# Altium PCB WL-MAIN.PcbDoc (part 1 of 3)
Units mm, origin at the board's own origin, x right, y up, seen from the top; angles counter-clockwise.
Board outline 144 x 83.65 mm, 4 copper layers (Top Layer, Layer 1, Layer 2, Bottom Layer), stack 1.57 mm thick; 393 components, 321 nets, 1486 pads, 539 vias.
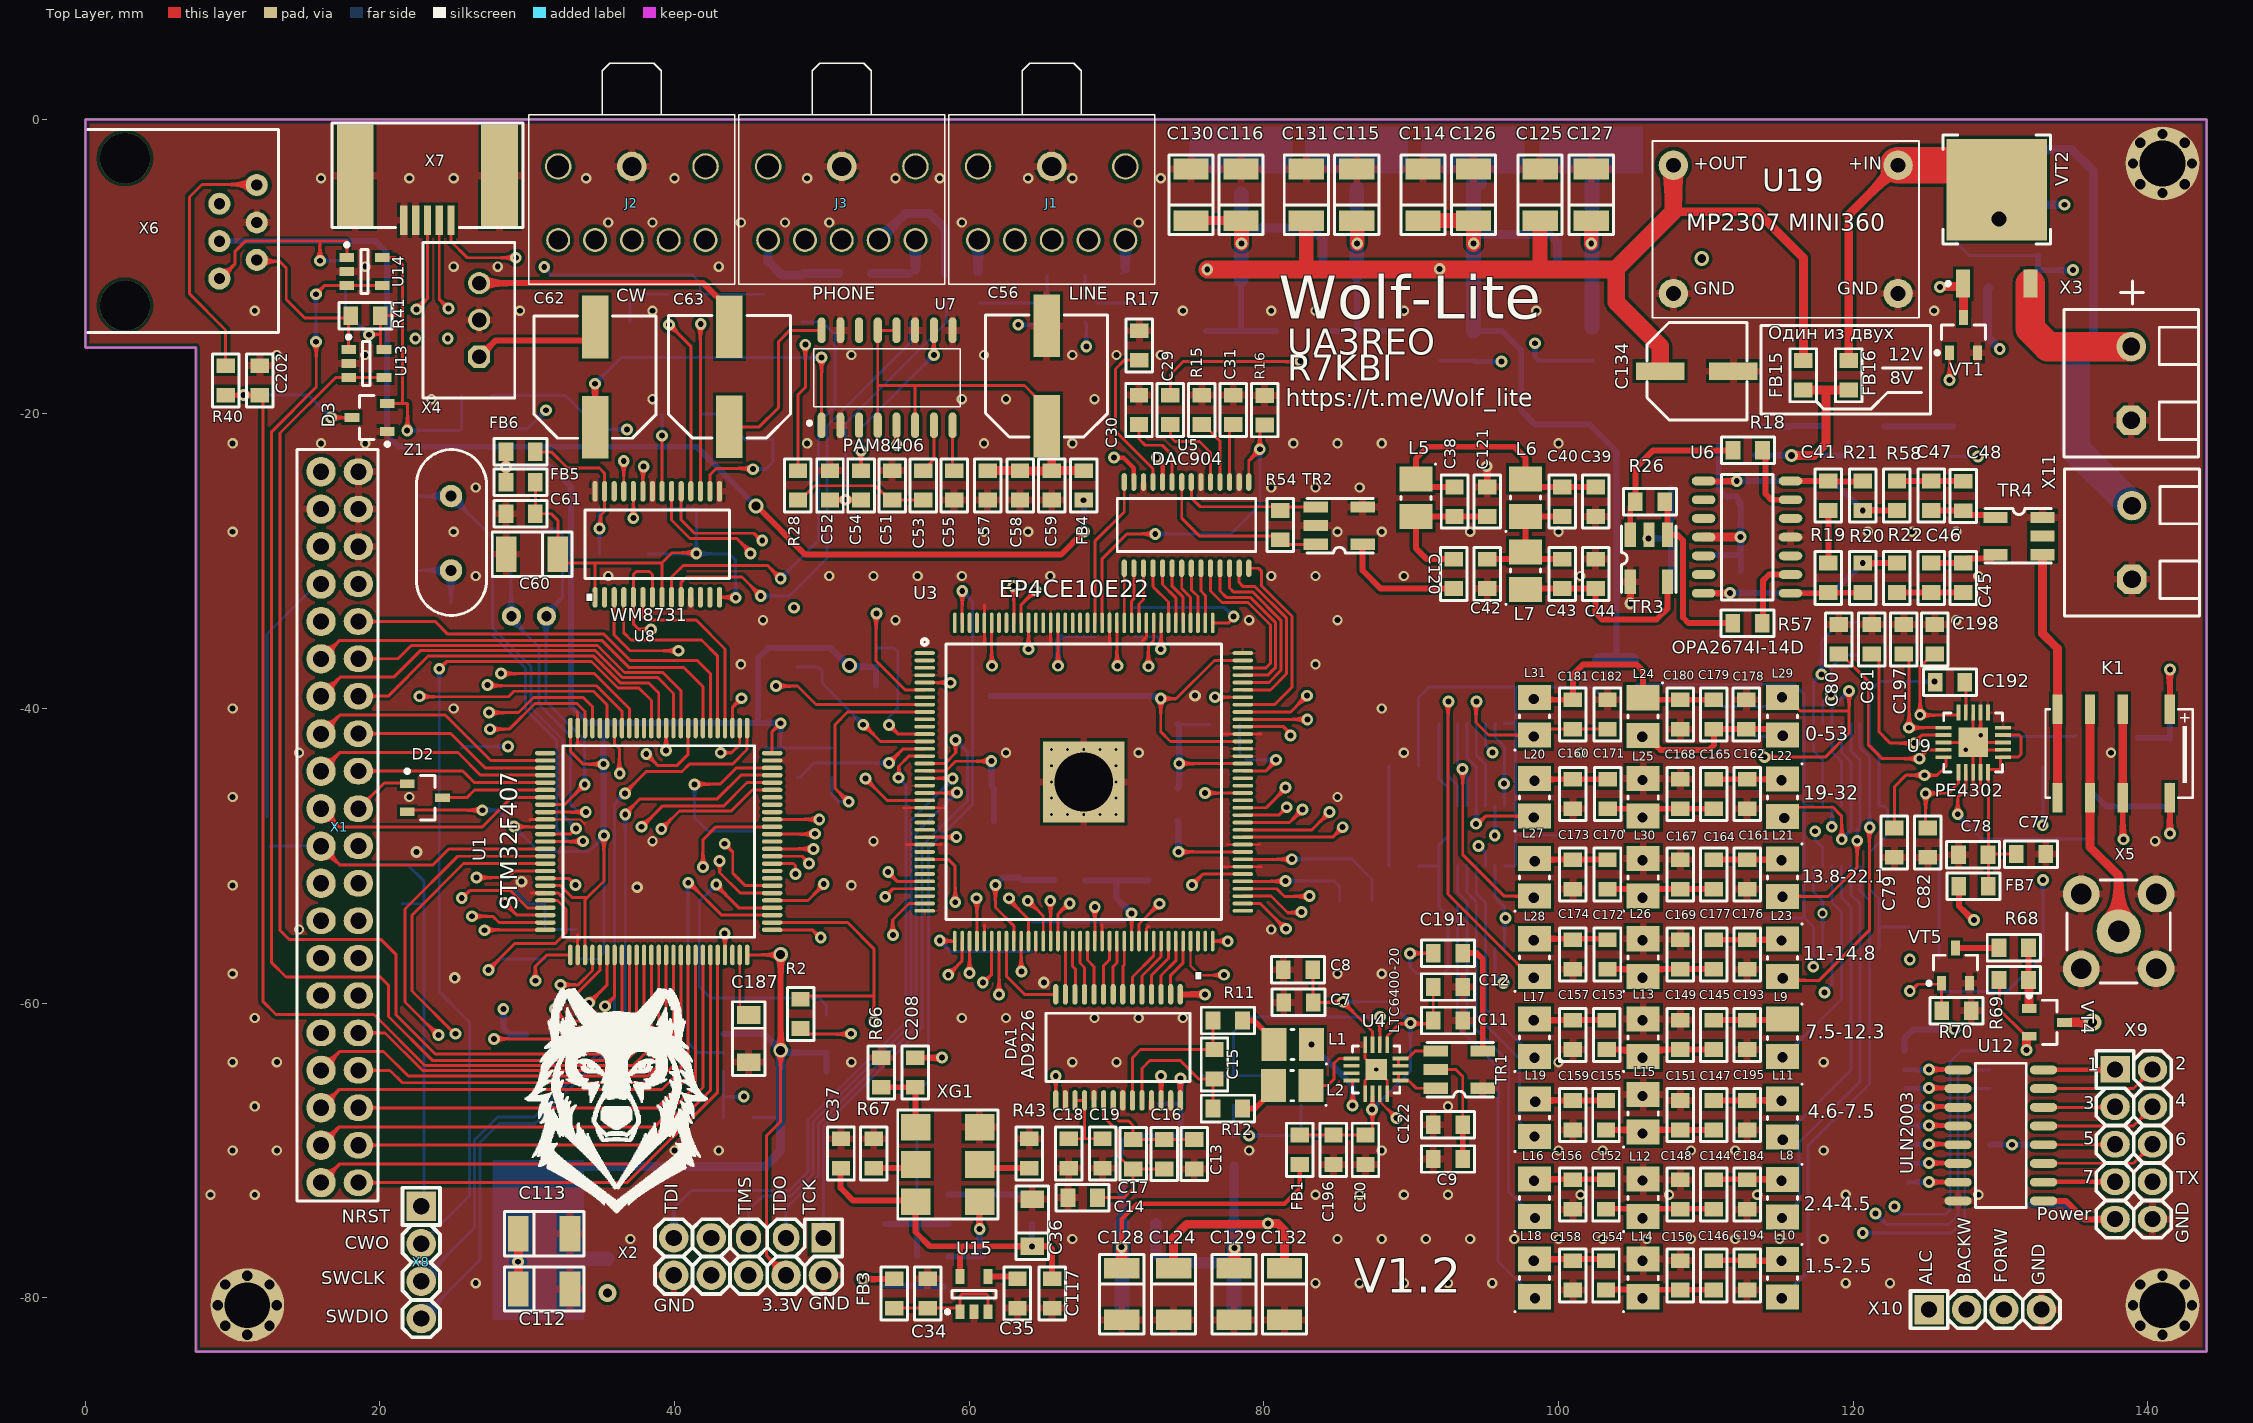
[diagram p0: Top Layer view]
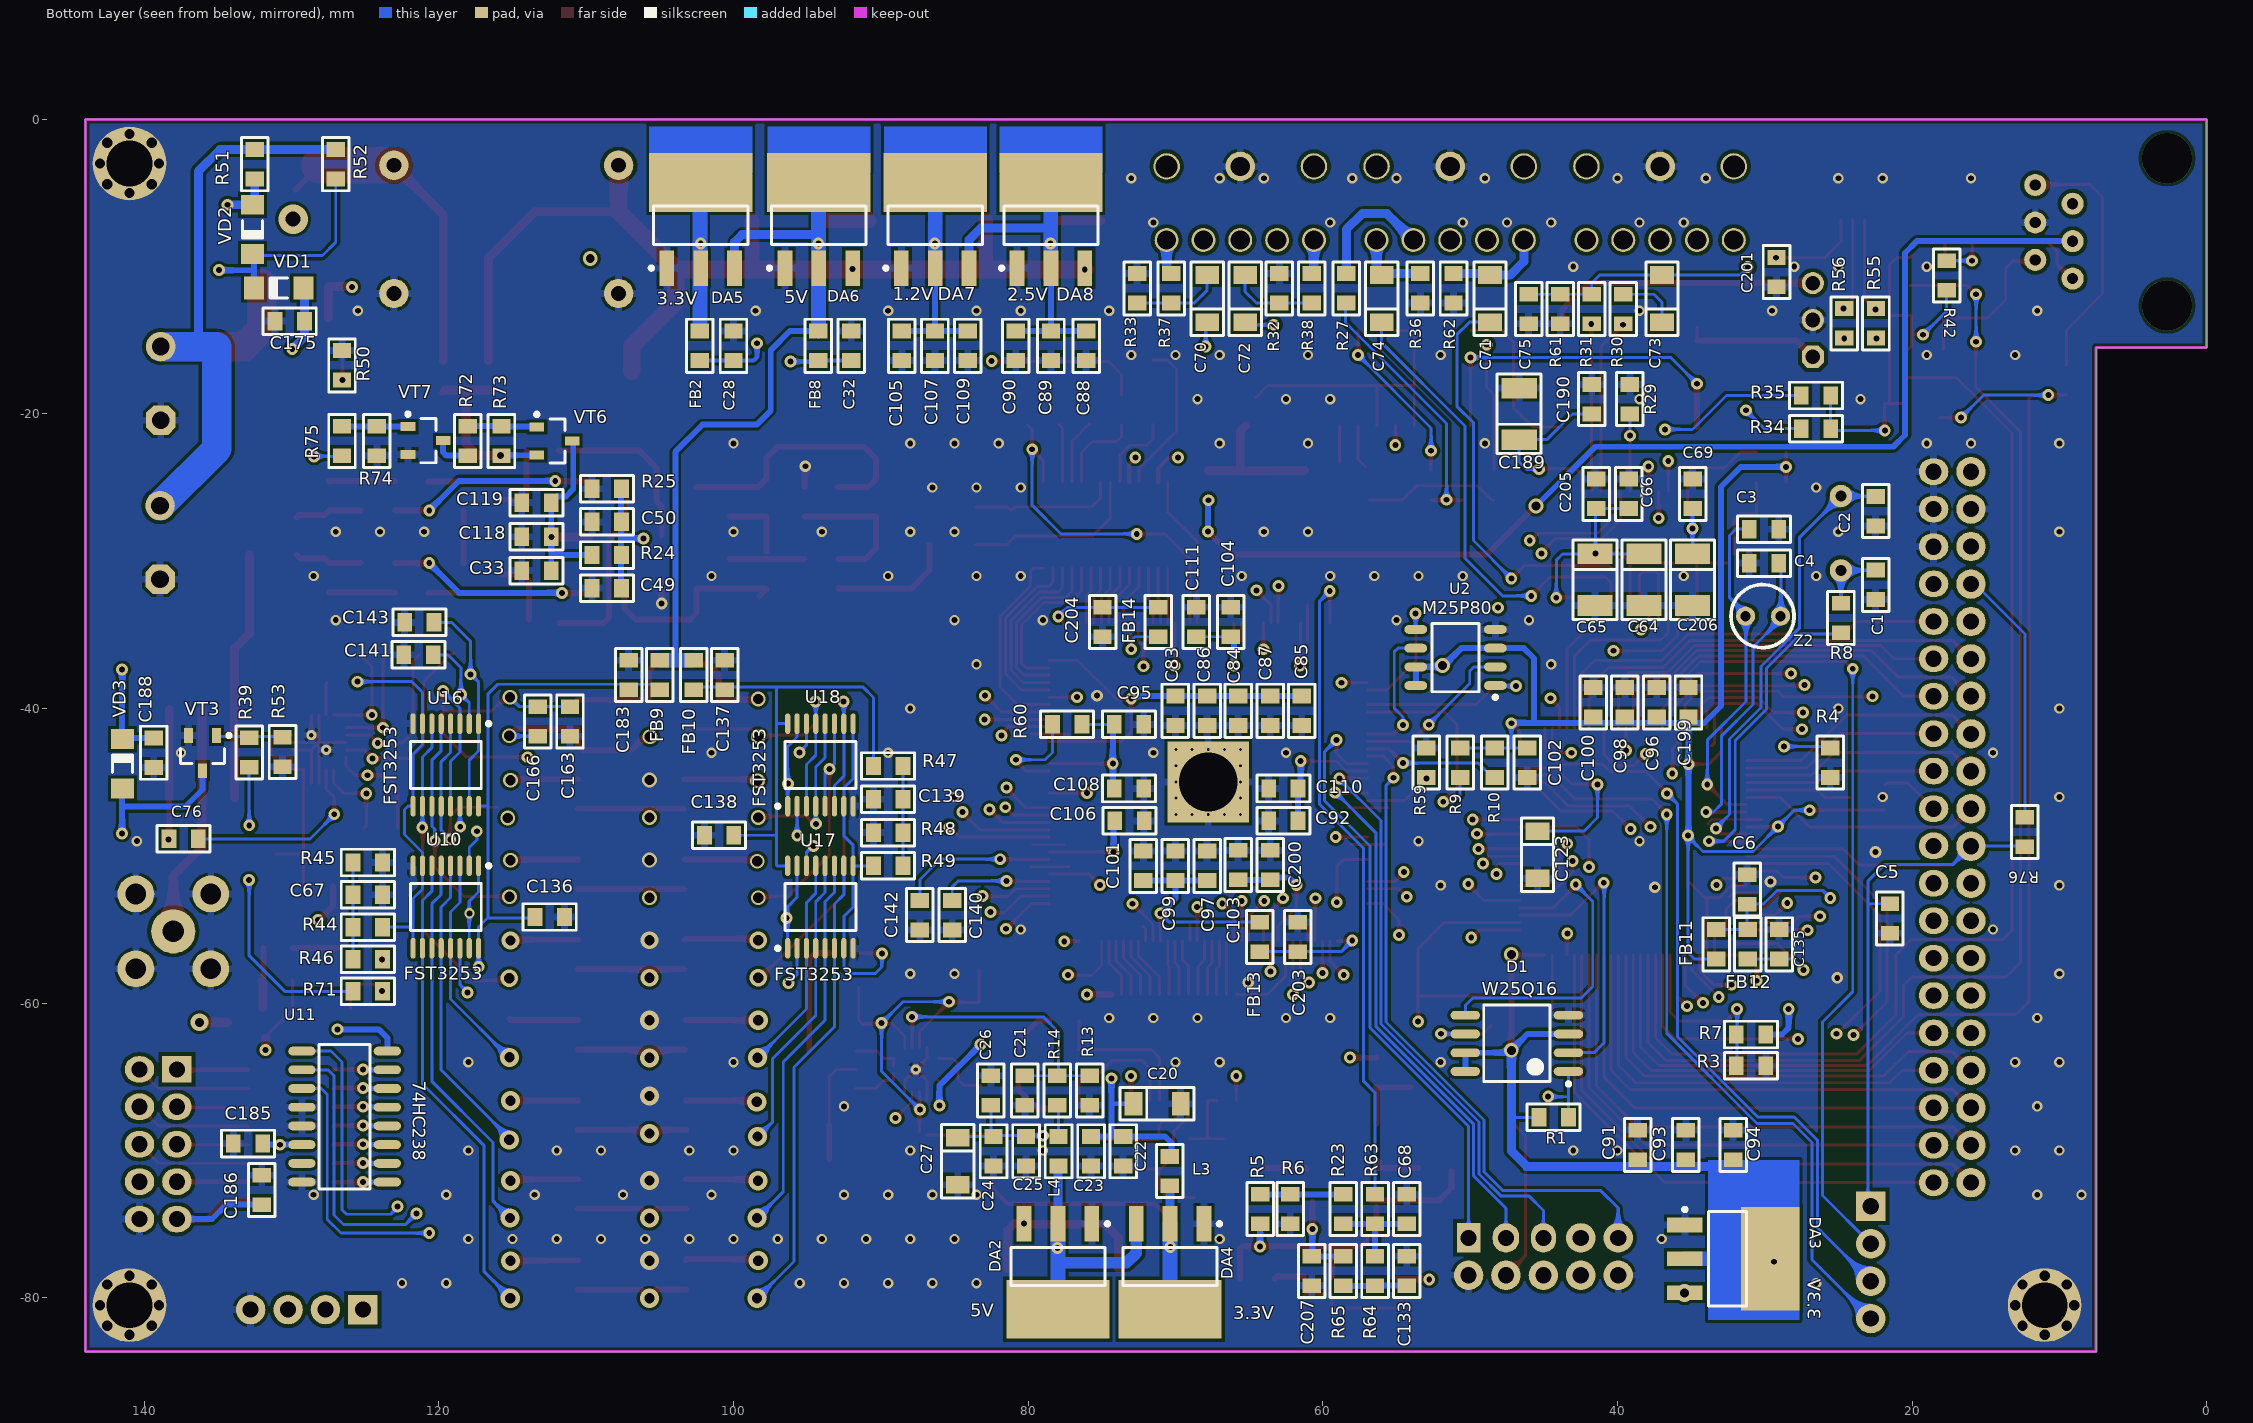
[diagram p1: Bottom Layer view, seen from below]
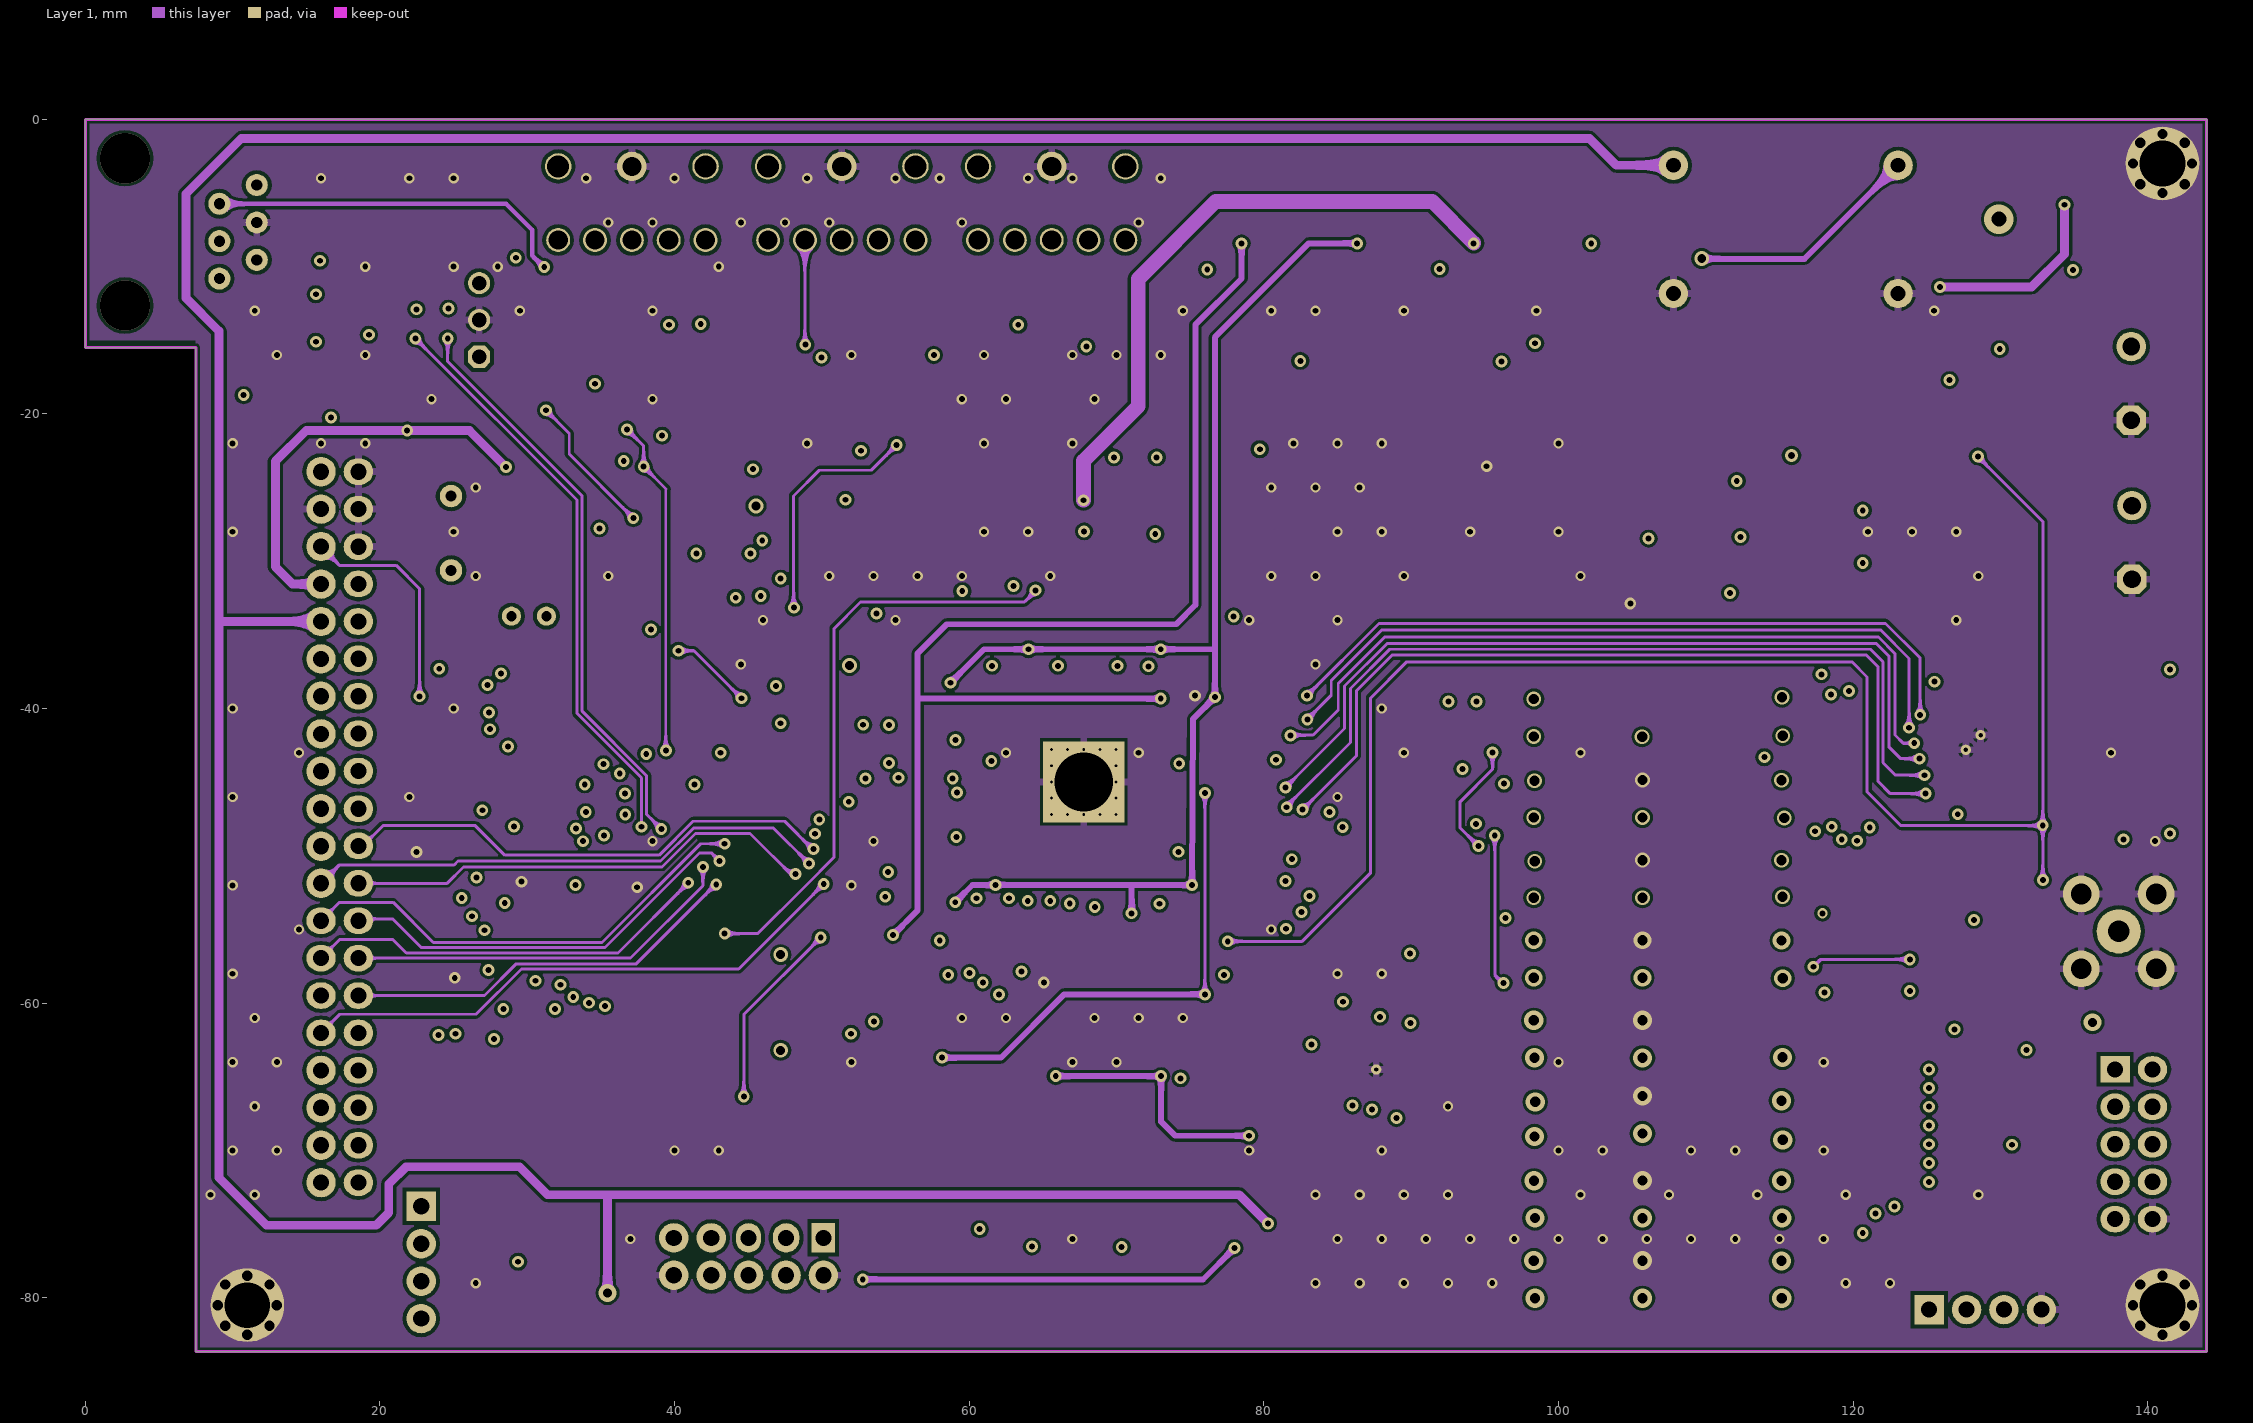
[diagram p2: Layer 1]
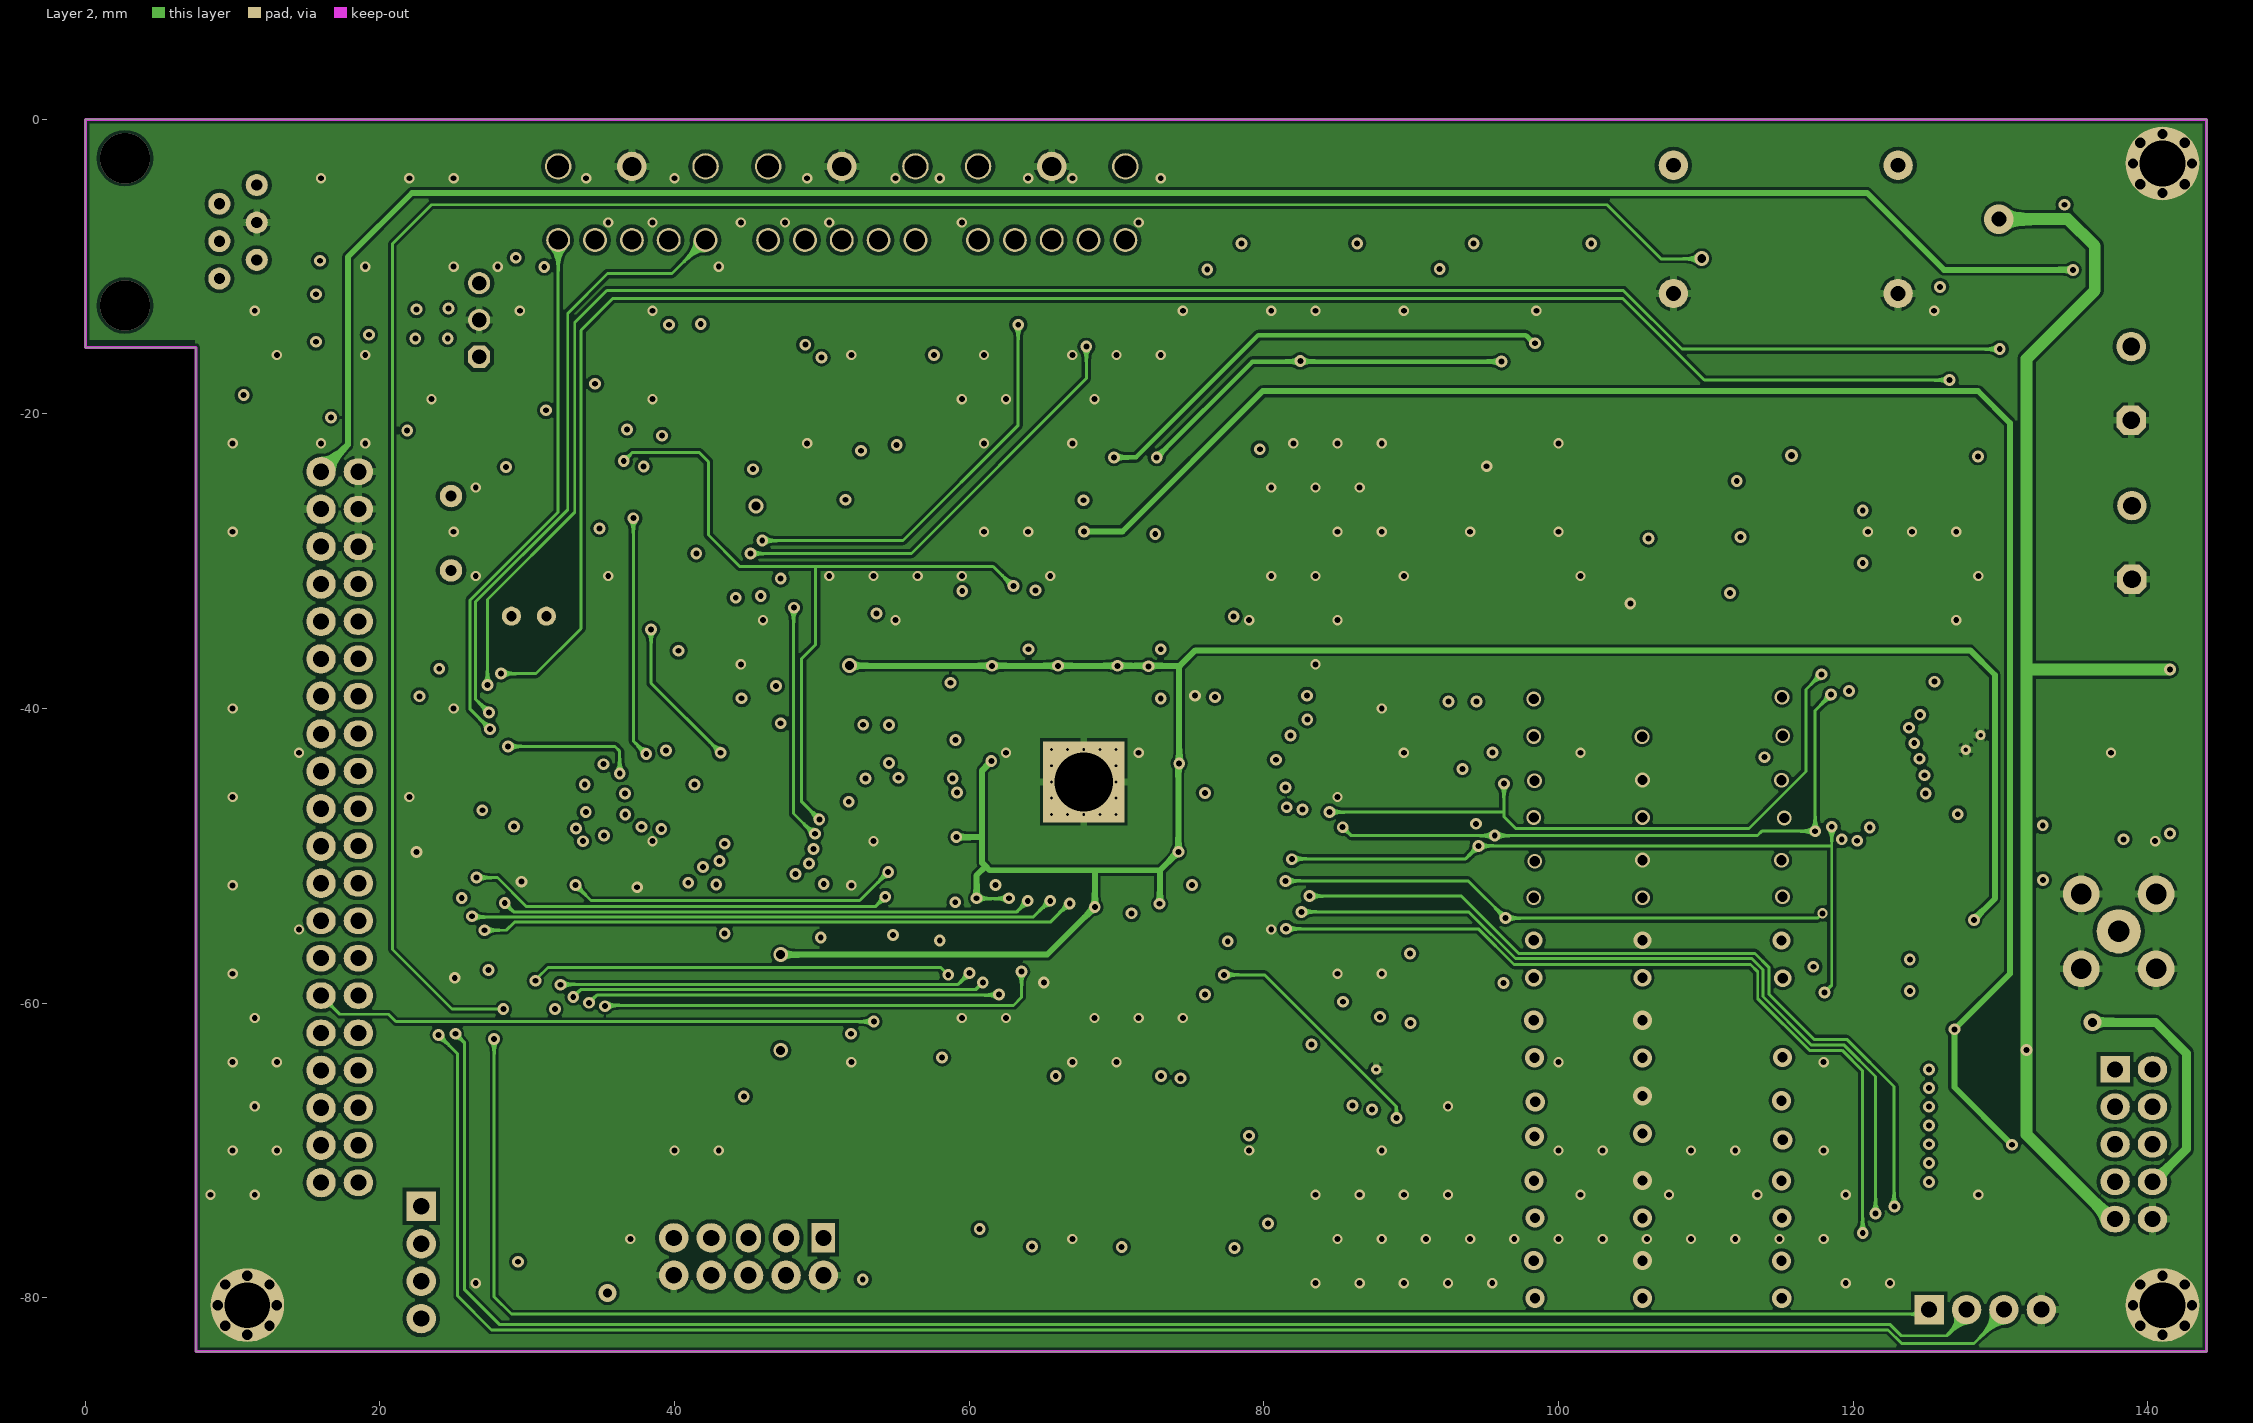
[diagram p3: Layer 2]

## Layer stack, top to bottom
Top Solder: solder mask 0.0102, Solder Resist, Dk 3.5
Top Layer: signal copper 0.035
Dielectric 2: prepreg 0.2, PP-006, Dk 4.1
Layer 1: signal copper 0.0175
FR4: core 1.065, FR-4, Dk 4.8
Layer 2: signal copper 0.0175
Dielectric 3: prepreg 0.2, PP-006, Dk 4.1
Bottom Layer: signal copper 0.035
Bottom Solder: solder mask 0.0102, Solder Resist, Dk 3.5

## Board outline
0,-15.5 0,0 144,0 144,-83.65 7.5,-83.65 7.5,-15.5

## Design rules (kind name [scope] priority, off if disabled: settings)
BoardOutlineClearance [All] p1: gap=0.3 ignorepadtopadclearanceinfootprint=FALSE
Clearance POWER [InNetClass('POWER')] p1: gap=0.3 ignorepadtopadclearanceinfootprint=FALSE except(0: Arc-Hole Track-Hole SMDPad-Hole THPad-Hole Via-Hole Fill-Hole Poly-Hole Region-Hole Text-Hole)
Clearance Clearance_NPTH [All vs InPadClass('NPTH')] p2: gap=0.4 ignorepadtopadclearanceinfootprint=FALSE except(0: Arc-Hole Track-Hole SMDPad-Hole THPad-Hole Via-Hole Fill-Hole Poly-Hole Region-Hole Text-Hole)
Clearance Clearance_MultiLayerPad [OnLayer('Multi-Layer') and IsPad] p3: gap=0.25 ignorepadtopadclearanceinfootprint=FALSE except(0: Arc-Hole Track-Hole SMDPad-Hole THPad-Hole Via-Hole Fill-Hole Poly-Hole Region-Hole Text-Hole)
Clearance Clearance_Polygon [InPolygon] p4: gap=0.2 ignorepadtopadclearanceinfootprint=FALSE except(0: Arc-Hole Track-Hole SMDPad-Hole THPad-Hole Via-Hole Fill-Hole Poly-Hole Region-Hole Text-Hole)
Clearance [All] p5: gap=0.15 ignorepadtopadclearanceinfootprint=FALSE except(0: Arc-Hole Track-Hole SMDPad-Hole THPad-Hole Via-Hole Fill-Hole Poly-Hole Region-Hole Text-Hole)
Height [All] p1: minheight=0 maxheight=60 prefheight=12.7
HoleSize [All] p1: absolutevalues=TRUE maxlimit=5 minlimit=0.025 maxpercent=80.000 minpercent=20.000
HoleToHoleClearance [All] p1: gap=0.2 allowstackedmicrovias=TRUE
MinimumSolderMaskSliver [All] p1: minsoldermaskwidth=0.05
PlaneClearance [All] p1: clearance=0.5
PlaneConnect [All] p1: planeconnectstyle=Relief reliefexpansion=0.5 reliefentries=4 reliefconductorwidth=0.3 reliefairgap=0.2
PolygonConnect PolygonConnect_PowerPAD [All vs InPadClass('PowerPAD')] p1: connectstyle=Relief reliefconductorwidth=1 reliefentries=4 polygonreliefangle="90 Angle" airgapwidth=0.3
PolygonConnect PolygonConnect_PadGND [InNet('GND') and IsPad] p2: connectstyle=Relief reliefconductorwidth=0.5 reliefentries=4 polygonreliefangle="90 Angle" airgapwidth=0.2
PolygonConnect PolygonConnect_Via [IsVia] p3: connectstyle=Direct reliefconductorwidth=0.254 reliefentries=4 polygonreliefangle="90 Angle" airgapwidth=0.254
PolygonConnect [All] p4: connectstyle=Relief reliefconductorwidth=0.6 reliefentries=4 polygonreliefangle="90 Angle" airgapwidth=0.3
RoutingVias [All] p1: holewidth=0.3 width=0.7 viastyle="Through Hole" minholewidth=0.3 minwidth=0.6 maxholewidth=3.2 maxwidth=5
SilkToSilkClearance [All] p1: silktosilkclearance=0
SilkToSolderMaskClearance [IsPad] p1: minsilkscreentomaskgap=0.05 clearancetoexposedcopper=FALSE
SolderMaskExpansion [All] p1: expansion=0.075 istentingtop=FALSE
Width [All] p1: maxlimit=10 minlimit=0.15 preferedwidth=0.2
22 further rules are at their usual default settings.

## Classes and differential pairs
component class Designator: C144 C145 C146 C147 C148 C149 C150 C151 C152 C153 C154 C155 C156 C157 C158 C159 C160 C161 C162 C163 C164 C165 C166 C167 C168 C169 C170 C171 C172 C173 C174 C176 C177 C178 C179 C180 C181 C182 C184 C193 C194 C195 L8 L9 L10 L11 L12 L13 L14 L15 L16 L17 L18 L19 L20 L21 L22 L23 L24 L25 L26 L27 L28 L29 L30 L31
component class Designator: C201 C202 D3 J2 R40 R41 R42 R55 R56 U13 U14 X6 X7 X10
component class Designator: C51 C52 C53 C54 C55 C56 C57 C58 C59 C60 C61 C62 C63 C64 C65 C66 C69 C70 C71 C72 C73 C74 C75 C189 C190 C205 C206 FB4 FB5 FB6 J1 J3 R27 R28 R29 R30 R31 R32 R33 R34 R35 R36 R37 R38 R61 R62 U7 U8 X4
component class U_WL-Power: C83 C84 C85 C86 C87 C88 C89 C90 C91 C92 C93 C94 C95 C96 C97 C98 C99 C100 C101 C102 C103 C104 C105 C106 C107 C108 C109 C110 C111 C112 C113 C114 C115 C116 C124 C125 C126 C127 C128 C129 C130 C131 C132 C134 C175 C199 C200 DA2 DA3 DA4 DA5 DA6 DA7 DA8 R50 R51 R52 U19 VD1 VD2 VT1 VT2 X3 X11
component class U_WL-FPGA: C203 C204 FB13 FB14 R9 R10 R59 R60 U2 U3 X2
component class U_WL-DAC904: C28 C29 C30 C31 C32 C33 C38 C39 C40 C41 C42 C43 C44 C45 C46 C47 C48 C49 C50 C118 C119 C120 C121 FB2 FB8 FB15 FB16 L5 L6 L7 R15 R16 R17 R18 R19 R20 R21 R22 R24 R25 R26 R54 R57 R58 R72 R73 R74 R75 TR2 TR3 TR4 U5 U6 VT6 VT7
component class U_WL-ATT: C76 C77 C78 C79 C80 C81 C82 C197 C198 FB7 U9
component class U_WL-AD9226: C7 C8 C9 C10 C11 C12 C13 C14 C15 C16 C17 C18 C19 C20 C21 C22 C23 C24 C25 C26 C27 C34 C35 C36 C37 C68 C117 C122 C133 C196 C207 C208 DA1 FB1 FB3 L1 L2 L3 L4 R5 R6 R11 R12 R13 R14 R23 R43 R63 R64 R65 R66 R67 TR1 U4 U15 XG1
component class Designator: C1 C2 C3 C4 C5 C6 C123 C135 C187 D1 D2 FB11 FB12 R1 R2 R3 R4 R7 R8 R76 U1 X1 X8 Z1 Z2

## Components (designator, comment, footprint, x,y, rotation, side; value= is the part's Value field where it differs from the comment)
C1 "22p" CH0805C 22.475,-31.6 r90 bottom
C2 "22p" CH0805C 22.475,-26.6 r90 bottom
C3 "12p" CH0805C 30.05,-27.825 r0 bottom
C4 "12p" CH0805C 30.05,-30.125 r180 bottom
C5 "0.1" CH0805C 21.5,-54.25 r90 bottom
C6 "0.1" CH0805C 31.2,-52.275 r90 bottom
C7 "1000p" CH0805C 82.35,-59.95 r0 top
C8 "1000p" CH0805C 82.325,-57.725 r0 top
C9 "1uF" CH0805C 92.5,-70.575 r0 top
C10 "0.1" CH0805C 86.9,-69.95 r90 top
C11 "0.1" CH0805C 92.5,-61.175 r180 top
C12 "0.1" CH0805C 92.5,-58.9 r180 top
C13 "0.1" CH0805C 75.275,-70.25 r90 top
C14 "0.1" CH0805C 67.7,-73.2 r0 top
C15 "15p" CH0805C 76.65,-64.15 r90 top
C16 "10uF" CH0805C 73.225,-70.25 r270 top
C17 "0.1" CH0805C 71.125,-70.25 r270 top
C18 "10uF" CH0805C 66.75,-70.2 r270 top
C19 "0.1" CH0805C 69.05,-70.2 r90 top
C20 "10uF 10V" TANTAL_A#1 71.25,-66.825 r180 bottom
C21 "0.1" CH0805C 80.225,-65.925 r90 bottom
C22 "0.1" CH0805C 73.55,-70.05 r90 bottom
C23 "0.01" CH0805C 75.731,-70.05 r90 bottom
C24 "0.1" CH0805C 82.35,-70.05 r90 bottom
C25 "0.1" CH0805C 80.144,-70.05 r90 bottom
C26 "0.01" CH0805C 82.525,-65.925 r270 bottom
C27 "10uF 10V" TANTAL_A#1 84.775,-70.725 r270 bottom
C28 "0.1" CH0805C 100,-15.375 r90 bottom
C29 "1uF" CH0805C 73.658,-19.725 r90 top
C30 "0.1" CH0805C 71.525,-19.725 r90 top
C31 "1uF" CH0805C 77.925,-19.725 r90 top
C32 "0.1" CH0805C 92.011,-15.375 r90 bottom
C33 "0.1" CH0805C 113.375,-30.633 r0 bottom
C34 "1u" CH0805C 57.175,-79.7 r90 top
C35 "10n" CH0805C 63.275,-79.7 r270 top
C36 "10uF 10V" TANTAL_A#2 64.275,-74.9 r90 top
C37 "0.1" CH0805C 51.295,-70.2 r90 top
C38 "22p" CH0805C 92.943,-25.958 r90 top
C39 "91p" CH0805C 102.518,-25.958 r90 top
C40 "15p" CH0805C 100.243,-25.958 r270 top
C41 "0.1" CH0805C 118.325,-25.55 r90 top
C42 "91p" CH0805C 95.168,-30.858 r90 top
C43 "22p" CH0805C 100.243,-30.858 r270 top
C44 "91p" CH0805C 102.518,-30.858 r270 top
C45 "1u" CH0805C 127.475,-31.125 r90 top
C46 "680p" CH0805C 125.3,-31.125 r90 top
C47 "1u" CH0805C 125.3,-25.55 r270 top
C48 "680p" CH0805C 127.475,-25.575 r270 top
C49 "0.1" CH0805C 108.6,-31.825 r180 bottom
C50 "470p" CH0805C 108.6,-27.331 r180 bottom
C51 "1n" CH0805C 54.762,-24.85 r90 top
C52 "1n" CH0805C 50.55,-24.85 r270 top
C53 "1uF" CH0805C 56.869,-24.85 r90 top
C54 "1uF" CH0805C 52.656,-24.85 r90 top
C55 "1uF" CH0805C 58.975,-24.85 r270 top
C56 "220uF" POLIMER-E 65.25,-17.425 r90 top
C57 "0.1" CH0805C 61.25,-24.85 r270 top
C58 "0.1" CH0805C 63.45,-24.85 r270 top
C59 "0.1" CH0805C 65.6,-24.85 r270 top
C60 "10uF 10V" TANTAL_B#1 30.325,-29.525 r180 top
C61 "0.1" CH0805C 29.55,-26.775 r180 top
C62 "220uF" POLIMER-E 34.6,-17.5 r90 top locked
C63 "220uF" POLIMER-E 43.725,-17.475 r90 top locked
C64 "10uF 10V" TANTAL_B#2 38.2,-31.25 r270 bottom
C65 "10uF 10V" TANTAL_B#2 41.525,-31.25 r270 bottom
C66 "0.1" CH0805C 39.225,-25.425 r90 bottom
C67 "0.1" CH0805C 124.825,-52.642 r0 bottom
C68 "0.1" CH0805C 54.305,-73.975 r270 bottom
C69 "0.1" CH0805C 34.9,-25.425 r90 bottom
C70 "1uF 10V" TANTAL_A#1 67.85,-12.175 r90 bottom
C71 "1uF 10V" TANTAL_A#1 48.65,-12.175 r90 bottom
C72 "1uF 10V" TANTAL_A#1 65.275,-12.175 r90 bottom
C73 "1uF 10V" TANTAL_A#1 36.975,-12.175 r90 bottom
C74 "1uF 10V" TANTAL_A#1 56,-12.175 r90 bottom
C75 "220p" CH0805C 46.025,-12.875 r270 bottom
C76 "0.1" CH0805C 137.325,-48.85 r180 bottom
C77 "100p" CH0805C 132.075,-49.875 r180 top
C78 "0.1" CH0805C 128.15,-49.925 r0 top
C79 "0.1" CH0805C 122.8,-49.1 r90 top
C80 "0.1" CH0805C 119.025,-35.3 r270 top
C81 "0.1" CH0805C 121.275,-35.3 r270 top
C82 "0.1" CH0805C 125.075,-49.1 r90 top
C83 "0.1" CH0805C 70,-40.15 r270 bottom
C84 "0.1" CH0805C 65.75,-40.15 r270 bottom
C85 "0.1" CH0805C 61.425,-40.15 r270 bottom
C86 "0.1" CH0805C 67.856,-40.15 r270 bottom
C87 "0.1" CH0805C 63.569,-40.15 r270 bottom
C88 "0.1" CH0805C 76.062,-15.375 r270 bottom
C89 "0.1" CH0805C 78.45,-15.375 r270 bottom
C90 "0.1" CH0805C 80.837,-15.375 r270 bottom
C91 "0.1" CH0805C 38.625,-69.625 r90 bottom
C92 "0.1" CH0805C 62.675,-47.625 r0 bottom
C93 "0.1" CH0805C 35.35,-69.625 r90 bottom
C94 "0.1" CH0805C 32.15,-69.625 r90 bottom
C95 "0.1" CH0805C 73.15,-41.075 r180 bottom
C96 "0.1" CH0805C 37.333,-39.575 r90 bottom
C97 "0.1" CH0805C 67.856,-50.675 r90 bottom
C98 "0.1" CH0805C 39.492,-39.575 r90 bottom
C99 "0.1" CH0805C 70,-50.675 r90 bottom
C100 "0.1" CH0805C 41.65,-39.575 r90 bottom
C101 "0.1" CH0805C 72.175,-50.675 r90 bottom
C102 "0.1" CH0805C 46.125,-43.675 r270 bottom
C103 "0.1" CH0805C 65.75,-50.625 r90 bottom
C104 "0.1" CH0805C 66.25,-34.125 r90 bottom
C105 "0.1" CH0805C 88.575,-15.375 r270 bottom
C106 "0.1" CH0805C 73.125,-47.625 r180 bottom
C107 "0.1" CH0805C 86.325,-15.375 r270 bottom
C108 "0.1" CH0805C 73.15,-45.425 r180 bottom
C109 "0.1" CH0805C 84.1,-15.375 r270 bottom
C110 "0.1" CH0805C 62.675,-45.425 r0 bottom
C111 "0.1" CH0805C 68.575,-34.125 r90 bottom
C112 "10uF 10V" TANTAL_B#1 31.15,-79.4 r0 top
C113 "10uF 10V" TANTAL_B#1 31.15,-75.65 r0 top
C114 "10uF 10V" TANTAL_B#1 90.807,-5.125 r90 top
C115 "10uF 10V" TANTAL_B#1 86.308,-5.125 r90 top
C116 "10uF 10V" TANTAL_B#1 78.45,-5.125 r90 top
C117 "470p" CH0805C 65.625,-79.7 r270 top
C118 "1u" CH0805C 113.375,-28.341 r0 bottom
C119 "470p" CH0805C 113.375,-26.016 r0 bottom
C120 "0.1" CH0805C 92.893,-30.858 r90 top
C121 "22p" CH0805C 95.168,-25.958 r270 top
C122 "470pF" CH0805C 92.5,-68.25 r180 top
C123 "1uF 10V" TANTAL_A#1 45.425,-49.925 r270 bottom